# Altium PCB C210_220601.PcbDoc (part 6 of 7) (continued)
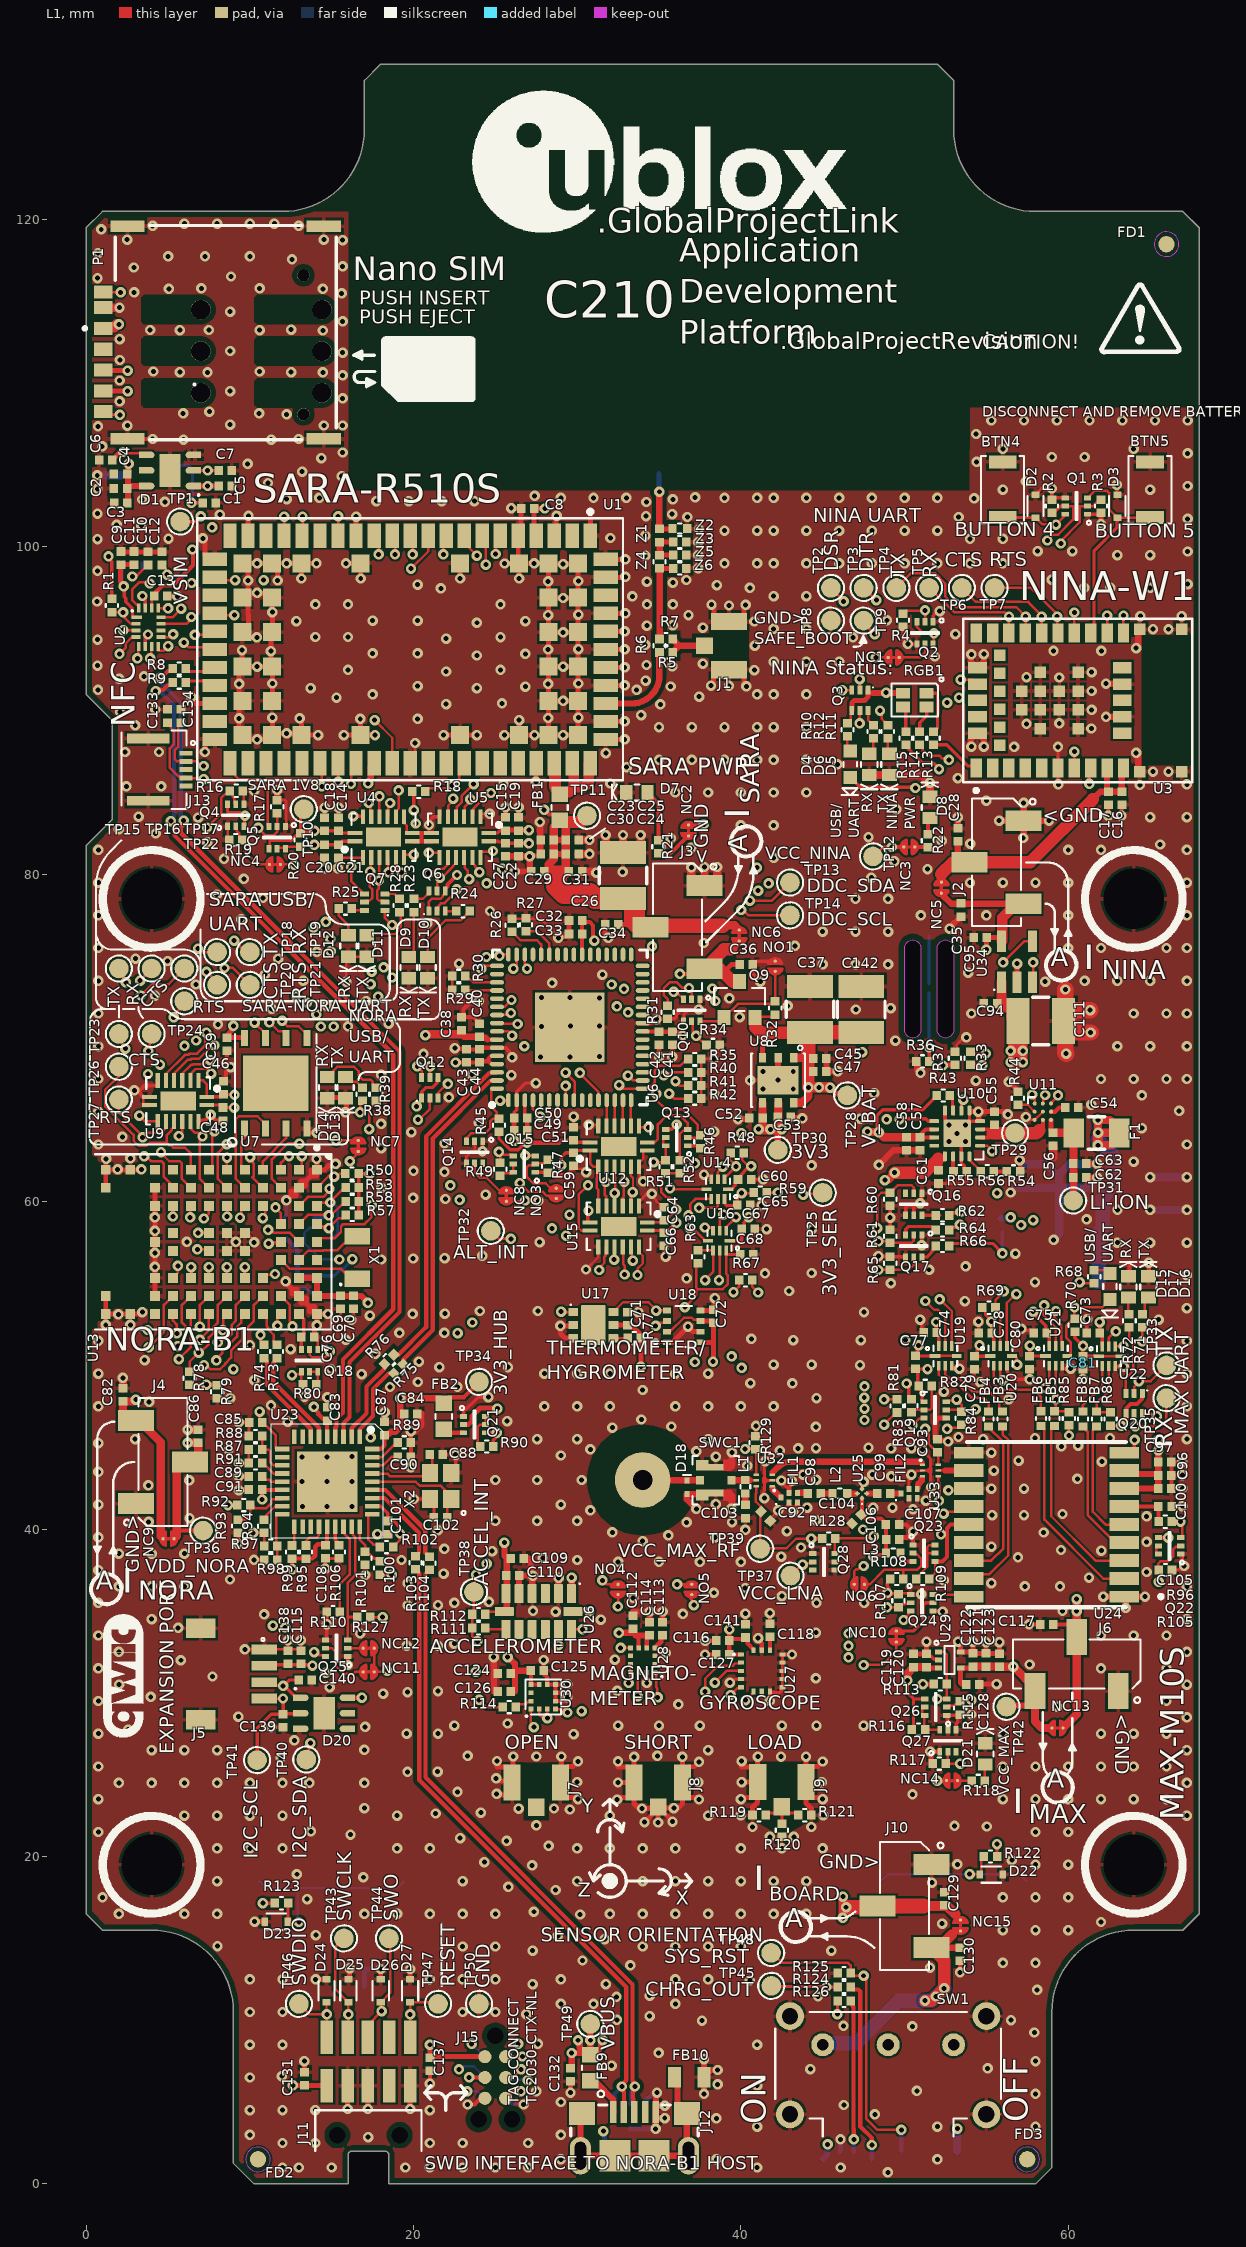
[diagram p0: L1 view]
## Nets (pads, with @x,y where several pads share a name; then routed paths per layer and width w, separated by ;. In a path a pad name is that pad's centre, name@x,y a point inside that pad or via, vN(x,y) a via of type N, cw(c..) or ccw(c..) an arc to the next point about the centre after c; other vN are vias at no path point) (continued)
  L1 w0.15: v1(38.414,30.625) 39.129,31.34 U27.3@40.01,31.34
  L1 w0.152: J5.3@10.875,30.65 11.099,30.426 12.037,30.426 v1(12.043,30.421) ; v1@12.049,30.427 12.066,30.427 v1@12.167,30.427 ; U13.A3@14.1,59.75 14.3,59.95 14.308,59.942 14.937,59.942 v1@14.937,59.952 ; v1(14.926,59.956) 14.926,60.021 15.78,60.875 R53.1@15.853,60.875 ; U30.4@28.675,29 29.2,29 v1(29.4,28.8) ; v1(29.018,53.288) 29.018,53.271 29.026,53.263 U17.1@29.755,53.263 ; U26.13@29.65,33.87 30.319,33.87 v1(30.325,33.875) ; v1(33.69,29.8) 33.69,31.19 U28.11@33.75,31.25 ; v1(34.797,52.419) 34.846,52.419 34.846,52.441 35.027,52.622 35.389,52.622 U18.3@35.481,52.713 ; U11.A2@58.45,66 58.468,66.018 58.468,66.275 58.587,66.394 v1(58.587,66.525)
  L1 w0.203: v1(12.043,30.421) v1@12.06,30.421 ; C140.2@12.991,30.787 12.426,30.787 12.066,30.427 v1@12.06,30.421 ; D20.1@13.391,29.7 D20.1@13.016,29.7 12.841,29.7 12.119,30.421 v1@12.06,30.421 ; TP40.1@13.45,25.925 13.617,26.092 13.617,26.842 v1(13.7,26.925)
  L3 w0.152: v1(12.043,30.421) 13.7,28.764 v1(13.7,26.925) ; v1(12.163,33.999) 12.163,34.087 11.789,34.46 11.789,46.814 12.625,47.65 12.625,48.251 13.511,49.136 13.511,54.086 14.6,55.175 14.6,56.871 15.694,57.965 15.694,59.188 v1(14.926,59.956) ; v1(28.46,58.379) 28.46,58.351 28.72,58.09 28.72,54.83 29.637,53.913 ; v1(29.018,53.288) 29.018,53.294 29.637,53.913 ; v1(29.4,28.8) 30.325,29.725 v1(30.325,33.875) ; v1(34.797,52.419) 34.28,52.935 34.28,53.489 33.856,53.913 29.637,53.913
  L4 w0.152: v1(12.163,33.999) 12.163,33.92 11.811,33.568 11.811,30.752 12.043,30.52 v1(12.043,30.421) 13.459,29.005 28.393,29.005 28.597,28.8 v1(29.4,28.8) 30.154,29.554 33.445,29.554 v1(33.69,29.8) 34.259,29.8 35.084,30.625 v1(38.414,30.625) ; v1(14.926,59.956) 15.979,58.903 27.578,58.903 28.102,58.379 v1(28.46,58.379) ; v1@28.474,58.365 28.581,58.471 29.553,58.471 29.637,58.388 35.186,58.388 36.119,57.455 46.149,57.455 48.574,59.88 49.701,59.88 51.851,57.73 57.949,57.73 58.705,58.486 58.705,61.776 58.259,62.222 58.259,66.08 58.587,66.408 v1(58.587,66.525)
  L6 w0.152: U31.6@13.975,57.775 15.046,57.775 15.38,58.109 15.38,59.62 15.044,59.956 v1(14.926,59.956)
SIM_CLK: U1.38 U2.8 | length 16.6
  L1 w0.152: U2.8@4.411,93.925 4.411,93.673 4.413,93.675 4.738,93.675 v1(5.008,93.943) ; U1.38@14.3,86.8 14.397,86.703 v1(14.397,85.377)
  L4 w0.152: v1(5.008,93.943) 5.551,93.4 8.511,93.4 10.829,91.082 10.829,89.258 13.552,86.535 13.552,86.223 v1(14.397,85.377)
SIM_IO: U1.39 U2.12 | length 18.8
  L1 w0.152: U2.12@4.586,95.7 5.275,95.7 5.8,96.225 5.8,96.228 v1(5.803,96.228) ; v1(15.397,85.65) 15.4,85.653 U1.39@15.4,86.8
  L4 w0.152: v1(5.803,96.228) 5.736,96.162 5.736,95.639 6.2,95.175 8.923,95.175 12.047,92.051 12.047,89.597 15.397,86.247 v1(15.397,85.65)
SIM_RST: U1.40 U2.4 | length 22.2
  L1 w0.152: v1(2.042,93.475) 2.431,93.864 2.431,94.12 2.811,94.5 U2.4@3.036,94.5 ; v1(16.184,85.523) 16.184,86.484 U1.40@16.5,86.8
  L4 w0.152: v1(2.042,93.475) 2.042,93.383 2.775,92.65 7.2,92.65 9.908,89.942 9.908,87.942 12.15,85.7 13.019,84.831 15.525,84.831 v1@16.2,85.506
SWCLK: D25.1 J11.4 J15.4 J17.4 TP43.1 U13.J2 | length 83.4
  L1 w0.15: J11.4@16.025,8.96 v1(16.025,10.357)
  L1 w0.152: v1(3.546,62.775) 3.677,62.775 3.973,62.479 4.595,62.479 4.729,62.345 4.729,61.531 5.3,60.96 U13.J2@5.3,60.85 ; TP43.1@15.75,15 15.225,14.475 15.225,11.891 D25.1@16.025,11.091 v1(16.025,10.357) ; J15.4@25.635,6.5 26.081,6.5 v1(26.581,7)
  L3 w0.152: v1(3.546,62.775) 3.588,62.733 4.092,62.733 4.75,62.075 4.75,55.799 4.698,55.747 4.698,51.61 4.75,51.558 4.75,50.094 7.495,47.349 7.495,36.492 14.94,29.046 14.94,11.442 v1(16.025,10.357)
  L4 w0.15: 25.744,7.65 26.394,7 v1(26.581,7)
  L4 w0.152: v1(16.025,10.357) 16.368,10.357 19.075,7.65 22.82,7.65 ; v1(22.783,7) 22.783,7.613 22.82,7.65 ; 25.744,7.65 22.82,7.65
  L6 w0.152: v1(22.783,7) 22.783,7.083 22.885,7.185 23.68,7.185 J17.4@24.365,6.5
SWDIO: D24.1 J11.2 J15.2 J17.2 TP46.1 U13.H2 | length 81.4
  L1 w0.15: v1(4.573,63.025) 4.573,62.983 5.078,62.477 5.694,62.477 5.697,62.475 5.725,62.475 5.85,62.35 5.85,61.4 U13.H2@6.4,60.85 ; TP46.1@13,11 13.643,10.357 v1(14.71,10.357) ; D24.1@14.686,11.091 14.686,10.381 v1(14.71,10.357) ; J11.2@14.71,8.96 v1(14.71,10.357) ; J15.2@25.635,7.77 25.641,7.776 26.65,7.776 v1(26.656,7.781)
  L3 w0.15: v1(3.75,52.167) 3.75,52.128 4.446,51.432 4.446,49.968 7.192,47.223 7.192,36.402 14.637,28.957 14.637,10.43 v1(14.71,10.357)
  L4 w0.15: v1(3.75,52.167) 3.75,52.21 4.75,53.21 4.75,62.625 4.55,62.825 4.55,63.002 v1(4.573,63.025) ; v1(14.71,10.357) 15.253,10.9 16.275,10.9 19.224,7.951 23.554,7.951 ; v1(23.554,8.55) 23.554,7.951 ; v1(26.656,7.781) 26.563,7.874 26.286,7.874 26.209,7.951 23.554,7.951
  L6 w0.15: v1(23.554,8.55) 23.585,8.55 J17.2@24.365,7.77
SWO: D26.1 J11.6 J15.6 J17.6 TP44.1 U13.B3 | length 78.5
  L1 w0.152: U13.B3@13,59.75 13.55,60.3 14.494,60.3 14.85,60.656 14.85,60.8 v1(14.87,60.8) ; J11.6@17.21,8.96 17.21,9.715 v1(18.05,10.555) 18,10.605 D26.1@18,11.091 18.589,11.68 18.589,14.911 TP44.1@18.5,15
  L1 w0.254: J15.6@25.63,5.25 26.035,5.655 v1(26.563,5.655) ; J15.6@25.635,5.23 J15.6@25.903,5.23
  L3 w0.152: v1(14.87,60.8) 15.064,60.8 15.999,59.865 15.999,57.774 14.926,56.701 14.926,56.172 15.472,55.626 15.472,52.433 14.31,51.271 14.31,49.464 15.315,48.459 15.315,30.864 15.55,30.629 15.55,12.125 17.25,10.425 17.92,10.425 v1(18.05,10.555) 19.13,10.555 19.525,10.95 20.075,10.95 20.39,10.635 20.39,10.59 24.614,6.366 24.614,6.189 ; v1(23.279,5.655) 23.304,5.63 24.055,5.63 24.614,6.189 ; v1(26.563,5.655) 25.148,5.655 24.614,6.189
  L6 w0.152: v1(23.279,5.655) 23.94,5.655 J17.6@24.365,5.23
SYS_RST: BTN3.1 NC1.2 NC4.2 NC8.2 NC10.2 NC11.2 NC12.2 R125.2 TP48.1 | length 179.9
  L1 w0.152: NC4.2@11.874,80.607 12.683,80.607 v1(12.707,80.583) ; NC12.2@17.601,32.726 NC11.2@17.601,31.278 18.328,31.278 v1(18.4,31.35) ; NC8.2@25.675,60.034 26.792,60.034 26.792,60.046 v1(26.822,60.076) ; TP48.1@41.85,13.9 42.133,13.9 42.533,13.5 46.556,13.5 46.704,13.352 R125.2@46.704,12.875 46.863,12.715 v1(47.502,12.715) 47.527,12.715 47.655,12.587 47.655,3.995 48.35,3.3 v1(49.8,3.3) ; v1(47.502,31.7) 48.65,31.7 49.5,32.55 NC10.2@49.5,33.103 ; v1(48.25,93.25) NC1.2@49,93.25
  L3 w0.152: v1(23.792,31.296) 23.772,31.296 23.245,31.822 23.245,52.196 22.9,52.541 22.9,53.571 21.238,55.233 21.238,58.532 v1(22.825,60.119) 22.825,64.973 21.707,66.091 21.238,66.56 21.238,67.139 21.969,67.87 21.969,69.665 23.35,71.045 23.35,78.272 24.475,79.397 v1(24.475,79.454) ; v1(47.502,12.715) 48.377,13.591 48.377,29.098 47.502,29.973 v1(47.502,31.7)
  L4 w0.152: v1(12.707,80.583) 13.44,79.85 16.323,79.85 16.808,80.336 16.808,80.39 17.314,80.896 18.103,80.896 18.348,80.651 24.386,80.651 24.548,80.489 24.548,79.915 24.515,79.881 24.515,79.494 v1(24.475,79.454) 24.567,79.362 24.783,79.362 24.806,79.339 39.47,79.339 39.998,79.868 41.268,79.868 41.4,80 42.644,80 43.957,81.312 43.957,83.282 47.775,87.1 47.775,92.775 v1(48.25,93.25) ; v1(18.4,31.35) 18.427,31.323 23.765,31.323 v1(23.792,31.296) ; v1(22.825,60.119) 23.094,59.85 26.606,59.85 26.822,60.067 v1(26.822,60.076) ; v1@23.792,31.275 23.967,31.45 47.252,31.45 v1(47.502,31.7)
  L6 w0.254: BTN3.1@49.8,2 v1(49.8,3.3)
TX0: Q12.2 TP23.1 U9.13 U13.G3 | length 35
  L1 w0.152: TP23.1@2,70.25 2,69.85 2.4,69.45 v1(2.4,69.35) ; v1(5.661,64.016) 5.722,64.016 5.844,64.138 5.844,64.154 5.818,64.18 5.875,64.237 U9.13@5.875,64.908 ; v1(7.195,58.98) 7.205,58.98 7.5,59.275 U13.G3@7.5,59.75 ; v1(20.272,65.016) 20.35,65.016 21,65.667 Q12.2@21,66.341
  L3 w0.152: v1(2.4,69.35) 2.4,68.316 3.495,67.22 3.495,66.523 4.136,65.881 5.661,64.357 5.661,64.18 v1(5.661,64.016) ; v1@5.705,64.18 5.75,64.225 5.957,64.018 5.957,63.517 6.634,62.84 6.734,62.84 6.734,59.441 v1(7.195,58.98)
  L4 w0.152: v1(5.661,64.016) 6.283,64.016 6.899,63.4 7.704,63.4 9.104,64.8 9.525,64.8 11.145,66.42 13.499,66.42 16.07,63.85 18.594,63.85 19.778,65.034 20.255,65.034 v1(20.272,65.016)
TX1/SARA_PRI_RX: Q7.2 TP19.1 U4.4 U6.49 | length 29.1
  L1 w0.152: v1(9.043,75.949) 9.742,75.25 TP19.1@10,75.25 ; v1@17.88,79.612 17.901,79.633 17.901,81.004 U4.4@17.922,81.025 ; v1(17.88,79.623) 17.88,79.134 17.772,79.025 17.772,78.509 17.906,78.374 18.176,78.374 Q7.2@18.25,78.3 ; v1@24.097,74.235 24.27,74.408 U6.49@25.1,74.408
  L3 w0.152: v1(17.45,74.052) 17.502,74.104 17.502,79.229 17.88,79.608 v1(17.88,79.623)
  L4 w0.152: v1(9.043,75.949) 9.429,75.949 12.771,79.291 16.554,79.291 16.644,79.381 16.931,79.381 17.173,79.623 v1(17.88,79.623) ; v1(17.45,74.052) 18.323,73.179 21.542,73.179 22.316,73.953 23.751,73.953 24.029,74.231 v1(24.148,74.231)
TX4: Q6.2 TP15.1 U5.11 U13.G4 | length 49.1
  L1 w0.152: TP15.1@2,74.25 v1(2.429,73.401) ; v1(6.85,58.1) U13.G4@7.5,58.1 ; v1(20.895,80.039) 21.025,80.039 21.168,80.181 21.23,80.181 21.386,80.337 21.829,80.337 22.048,80.556 22.048,80.923 U5.11@22.1,80.975 ; Q6.2@21.442,77.749 21.515,77.823 21.515,78.065 21.675,78.225 21.714,78.225 21.73,78.241 21.904,78.241 22.646,78.983 v1(22.646,79.09)
  L3 w0.152: v1(2.429,73.401) 2.431,73.399 2.325,73.293 2.325,70.275 2.949,69.651 2.949,68.637 v1(3.78,67.806) 3.8,67.806 3.8,66.649 6.262,64.187 6.262,63.643 6.76,63.145 6.86,63.145 7.038,62.966 7.038,60.046 7.76,59.324 7.76,58.773 7.087,58.1 v1(6.85,58.1)
  L4 w0.152: v1(3.78,67.806) 3.78,68.416 5.121,69.757 5.121,70.175 9.106,74.159 9.106,74.289 13.272,78.455 16.9,78.455 16.991,78.546 18.569,78.546 18.783,78.76 19.693,78.76 20.895,79.962 v1(20.895,80.039) ; v1@20.942,80.023 21.072,80.023 21.385,80.336 21.882,80.336 22.138,80.081 22.138,79.512 22.56,79.09 v1(22.646,79.09)
TX5: U13.G9 U21.6 | length 60.4
  L1 w0.152: v1(6.946,51.57) 6.934,51.582 7.5,52.148 U13.G9@7.5,53.15 ; v1(59.239,53.324) 59.148,53.233 59.148,52.904 59.567,52.485 59.567,51.577 59.604,51.54 59.604,51.213 U21.6@59.638,51.179
  L4 w0.152: v1(6.946,51.57) 6.946,51.596 7.5,52.15 7.5,52.494 8.337,53.331 12.955,53.331 14.299,54.675 35.369,54.675 35.371,54.673 35.454,54.673 35.725,54.402 37.253,54.402 37.267,54.389 37.27,54.389 38.334,53.325 46.356,53.325 47.132,54.101 50.233,54.101 51.015,54.883 54.923,54.883 56.001,53.805 57.171,53.805 57.586,54.22 58.766,54.22 59.147,53.84 59.147,53.417 v1(59.239,53.324)
TX6: U13.J9 U15.14 | length 32.9
  L1 w0.152: U13.J9@5.3,53.15 5.3,52.735 5.527,52.508 5.527,51.984 v1(5.549,51.962) ; U15.14@33.286,57.242 33.335,57.193 33.335,56.465 v1(33.396,56.404)
  L4 w0.152: v1(5.549,51.962) 5.549,52.674 7.425,54.55 12.45,54.55 13.787,55.887 29.354,55.887 30.177,56.71 31.23,56.71 32.028,55.912 32.48,55.912 32.88,56.312 33.304,56.312 v1(33.396,56.404)
USB_DN1_n: R75.2 U23.1 | length 5.2
  L1 w0.152: R75.2@18.537,49.501 R75.2@18.811,49.501
  L1 w0.259: U23.1@16.725,45.647 16.725,46.123 17.516,46.914 17.516,46.917 17.523,46.924 17.523,48.55 18.473,49.501 R75.2@18.811,49.501
USB_DN1_p: R76.2 U23.2 | length 5.3
  L1 w0.152: R76.2@18.228,49.8 R76.2@18.228,50.084
  L1 w0.259: U23.2@16.225,45.647 16.225,46.169 17.13,47.074 17.13,48.703 17.137,48.709 R76.2@18.227,49.8
USB_DN2_n: R8.2 U23.3 | length 55
  L1 w0.259: v1(4.486,92.015) 4.588,92.015 5.002,92.43 5.155,92.43 5.285,92.56 R8.2@5.285,92.575 ; v1(5.957,83.281) 5.885,83.209 5.885,82.965 5.786,82.866 5.786,82.539 19.15,69.174 19.15,53.259 16.093,50.202 16.093,46.836 15.725,46.468 15.725,46.307 U23.3@15.725,45.647
  L6 w0.259: v1(4.486,92.015) 4.558,91.943 4.558,91.728 5.785,90.501 5.785,83.554 5.957,83.383 v1(5.957,83.281)
USB_DN2_p: R9.2 U23.4 | length 54.9
  L1 w0.178: 15.252,46.217 15.225,46.244 15.255,46.274 15.255,46.447 15.293,46.485
  L1 w0.259: v1(4.248,91.2) 4.32,91.272 4.714,91.272 5.012,91.57 5.155,91.57 5.285,91.7 R9.2@5.285,91.715 ; v1(5.171,83.25) 5.171,83.148 5.4,82.92 5.4,82.379 18.764,69.014 18.764,53.431 15.691,50.357 15.691,47.116 15.293,46.718 15.293,46.485 15.293,46.259 15.252,46.217 15.225,46.19 U23.4@15.225,45.647
  L6 w0.259: v1(4.248,91.2) 4.32,91.128 4.579,91.128 5.375,90.332 5.375,83.674 5.399,83.65 5.363,83.614 5.363,83.543 5.171,83.352 v1(5.171,83.25)
USB_DN3_n: R73.2 U23.6 | length 6.1
  L1 w0.152: R73.2@11.482,50.203 R73.2@11.725,50.446
  L1 w0.259: R73.2@11.482,50.203 11.435,50.156 11.435,48.985 14.225,46.195 U23.6@14.225,45.647
USB_DN3_p: R74.2 U23.7 | length 6
  L1 w0.259: R74.2@10.866,50.45 11.049,50.267 11.049,48.812 13.725,46.136 U23.7@13.725,45.647
USB_DNR1_n: R75.1 U6.63 | length 19.9
  L1 w0.259: R75.1@19.377,50.066 19.377,50.369 21.175,52.167 21.175,63.864 24.715,67.404 25.096,67.404 U6.63@25.1,67.408
USB_DNR1_p: R76.1 U6.62 | length 20.3
  L1 w0.152: 24.672,67.855 U6.62@24.7,67.883
  L1 w0.259: R76.1@18.793,50.65 19.084,50.65 20.775,52.34 20.775,64.008 20.789,64.023 ; 20.789,64.024 24.555,67.79 ; 24.556,67.79 24.622,67.855 24.672,67.855 ; U6.62@24.7,67.883 U6.62@25.076,67.883
USB_DNR2_n: R8.1 U1.28 | length 1.9
  L1 w0.178: R8.1@6.085,92.575 6.085,92.571 6.256,92.4 7.6,92.4 U1.28@7.85,92.65
USB_DNR2_p: R9.1 U1.29 | length 1.9
  L1 w0.178: R9.1@6.085,91.715 6.195,91.825 7.575,91.825 U1.29@7.85,91.55
USB_DNR3_n: R73.1 U13.D9 | length 2.3
  L1 w0.152: U13.D9@10.8,53.15 11.024,52.926 11.024,52.398 11.138,52.283 11.138,52.199 11.46,51.877 11.46,51.434 11.644,51.25 R73.1@11.65,51.25
USB_DNR3_p: R74.1 U13.C9 | length 2.8
  L1 w0.152: v1(10.654,51.874) 10.654,51.677 10.68,51.651 10.68,51.436 R74.1@10.866,51.25 ; v1(11.684,52.425) 11.684,52.934 U13.C9@11.9,53.15
  L3 w0.152: v1(10.654,51.874) 10.692,51.874 11.168,52.35 11.6,52.35 11.675,52.425 v1(11.684,52.425)
USB_UP_1_n: D28.1 J12.2 R103.2 | length 40.2
  L1 w0.259: R103.2@20.125,37.525 20.349,37.301 20.349,24.679 32.999,12.029 32.999,6.935 32.999,6.326 32.725,6.052 v1(32.725,5.95) 32.797,5.878 32.797,5.672 32.859,5.61 32.859,4.404 J12.2@32.85,4.395
  L6 w0.259: D28.1@32.275,4.525 32.275,5.5 v1(32.725,5.95)
USB_UP_1_p: D28.2 J12.3 R104.2 | length 39.8
  L1 w0.259: R104.2@20.975,37.525 20.735,37.285 20.735,24.839 33.385,12.189 33.385,6.769 33.385,6.29 33.453,6.222 33.453,6.022 v1(33.525,5.95) 33.453,5.878 33.453,5.672 33.391,5.61 33.391,5.244 33.43,5.206 33.43,4.466 J12.3@33.5,4.395
  L6 w0.259: D28.2@33.225,4.9 33.295,4.97 33.295,5.619 33.525,5.848 v1(33.525,5.95)
USB_UPR_1_n: R103.1 U23.30 | length 5.3
  L1 w0.259: U23.30@17.475,41.897 18.219,41.897 20.335,39.781 20.335,38.56 R103.1@20.125,38.35
USB_UPR_1_p: R104.1 U23.31 | length 6
  L1 w0.259: U23.31@17.475,42.397 18.285,42.397 20.721,39.961 20.721,38.579 R104.1@20.975,38.325
V_BAT: C37.1 C45.2 C47.1 C129.1 C142.1 J10.2 NC15.1 Q9.2 R32.2 R126.2 TP28.1 U8.1 U8.3 U8.6 | length 86.7
  L1 w0.152: Q9.2@40.875,71.25 40.917,71.292 R32.2@42.1,71.292
  L1 w0.203: v1(45.895,10.375) 45.9,10.379 45.9,11.171 R126.2@45.904,11.175
  L1 w0.254: v1(45.45,66.966) 45.791,66.625 46.375,66.625 TP28.1@46.5,66.5 ; 53.086,16.489 53.418,16.157 NC15.1@53.418,16.126
  L1 w0.305: 41.213,70.337 41.325,70.225 U8.3@41.325,68.8
  L1 w0.508: U8.6@43.275,66.05 43.725,66.05 44.119,66.444 v1(44.119,66.987) ; U8.1@43.275,68.8 44.125,68.8 44.389,68.8 C45.2@44.425,68.764 ; v1(46.225,16.25) v1@46.225,17.104 ; v1(46.225,17.55) v1@46.225,17.104 ; v1(46.429,16.9) v1@46.225,17.104
  L1 w0.635: v1(44.119,66.987) v1(44.775,66.987) 45.429,66.987 v1(45.45,66.966) ; C37.1@44.225,70.35 44.226,70.349 C37.1@44.363,70.212 ; 51.175,16.975 52.6,16.975 53.086,16.489
  L1 w0.762: Q9.2@40.875,71.25 40.875,70.675 41.213,70.337 C37.1@44.212,70.337 ; v1@44.125,66.993 44.125,68.8
  L1 w0.889: 44.125,68.8 44.125,70.25 44.212,70.337 C37.1@44.225,70.35 ; C37.1@44.226,70.349 47.354,70.349 C142.1@47.355,70.348 ; v1(46.429,16.9) 48.275,16.9 J10.2@48.35,16.975 51.175,16.975
  L3 w0.889: v1(44.119,66.987) v1(44.775,66.987) 45.278,66.987 45.278,48.634 45.534,48.379 45.534,27.094 46.333,26.294 46.333,16.558
  L4 w0.254: v1(45.895,10.375) 46.225,10.705 v1(46.225,16.25)
VBUS: C43.1 C44.1 C61.1 C132.2 D28.6 FB9.2 Q15.4 Q18.4 Q21.2 R49.1 R80.1 R100.1 TP49.1 U6.60 U6.61 U10.6 U10.13 | length 199.4
  L1 w0.152: v1(12.575,49.404) 12.642,49.471 13,49.471 Q18.4@13.15,49.621 ; Q18.4@13.15,49.696 Q18.4@13.15,49.621 ; R80.1@13.25,48.85 13.15,48.95 Q18.4@13.15,49.621 ; R100.1@17.95,37.225 v1(18.667,37.225) ; R49.1@25.296,62.386 25.296,62.968 v1(25.211,63.053) 25.235,63.076 25.437,62.874 26.026,62.874 Q15.4@26.097,62.804 ; U10.6@53.468,65.573 53.468,66.193 53.512,66.237 v1(53.591,66.237)
  L1 w0.203: 52.168,62.725 52.42,62.725 U10.13@52.468,62.773
  L1 w0.254: v1(22.578,68.508) C43.1@23.225,68.508 23.229,68.512 C44.1@24.025,68.512 24.096,68.583 24.575,68.583 ; U6.61@25.1,68.408 24.75,68.408 24.575,68.583 ; U6.60@25.1,68.908 24.725,68.908 24.575,68.758 24.575,68.583 ; FB9.2@30.491,8.195 30.601,8.195 FB9.2@30.801,7.995
  L1 w0.305: Q21.2@23.053,46.388 23.06,46.381 23.351,46.381 23.582,46.612 23.582,46.919 24.064,47.401 25.085,47.401 v1(25.124,47.362)
  L1 w0.381: C132.2@29.587,7.067 29.667,7.148 v1(29.667,7.995) FB9.2@30.48,7.995 ; v1(30.05,8.775) 30.15,8.675 30.15,8.325 FB9.2@30.48,7.995 ; FB9.2@30.491,8.12 FB9.2@30.616,7.995 ; TP49.1@30.801,9.775 v1(30.801,8.775) 30.801,7.995 FB9.2@30.616,7.995 ; FB9.2@31.123,7.995 31.452,8.325 v1@31.452,8.675 ; FB9.2@30.48,7.995 FB9.2@30.616,7.995
  L1 w0.508: v1(48.8,61.325) 48.975,61.325 49.4,61.75 v1(49.4,61.775) ; C61.1@52.065,61.915 52.065,62.622 52.168,62.725
  L1 w0.762: v1(49.4,61.775) 51.218,61.775 52.065,62.622
  L3 w0.152: v1(24.475,37.875) 26.498,37.875 26.523,37.9 ; v1@25.15,63.005 25.204,63.06 v1(25.211,63.053) ; v1(48.903,65.03) 48.903,65.022 49.4,64.525 v1(49.4,61.775)
  L3 w0.305: v1(31.552,8.775) 31.503,8.726 31.503,6.017 31.6,5.92 v1(31.6,3.225)
  L3 w0.381: v1(25.124,47.362) 26.523,47.362 ; v1(29.667,7.995) 29.667,8.392 v1(30.05,8.775)
  L3 w0.508: v1(22.578,68.508) 22.845,68.242 22.845,67.025 25.15,64.72 25.15,63.114 v1@25.204,63.06 ; v1@25.15,63.005 25.15,56.411 26.523,55.038 26.523,47.362 26.523,37.9 26.523,30.848 24.303,28.628 24.303,23.522 26.523,21.302 26.523,11.902 29.65,8.775 v1@30.003,8.775
  L3 w0.635: v1(30.05,8.775) v1(30.801,8.775) ; v1(47.55,46.668) 47.65,46.768 v1@47.65,46.779
  L3 w0.762: v1(30.801,8.775) v1(31.552,8.775)
  L3 w0.889: v1(31.552,8.775) 31.752,8.975 38.582,8.975 44.945,15.338 46.673,15.338 47.375,16.039 47.375,26.725 46.575,27.525 v1(46.575,32.164) v1(46.575,32.87) v1@46.575,33.509 ; v1@47.65,46.779 47.65,48.725 48.435,49.51 48.435,53.79 47.406,54.819 47.406,59.931 v1(48.8,61.325) 49.25,61.775 v1(49.4,61.775)
  L4 w0.152: v1(12.575,49.404) 12.913,49.404 13.697,48.62 17.176,48.62 17.722,49.166 18.273,49.166 18.339,49.232 18.958,49.232 20.79,47.401 25.085,47.401 v1(25.124,47.362) ; v1(18.667,37.225) 18.817,37.375 19.7,37.375 20.2,37.875 v1(24.475,37.875) ; v1(48.903,65.03) 48.903,64.997 49.617,64.283 51.458,64.283 53.412,66.237 v1(53.591,66.237)
  L4 w0.889: v1@46.575,32.25 v1(46.575,32.87) v1(46.575,33.624) 46.575,45.693 v1(47.55,46.668) v1(47.55,47.36) 47.55,48.017 v1(47.537,48.029) 47.537,48.713 v1(47.55,48.725)
  L6 w0.305: v1(31.6,3.225) 31.663,3.162 31.663,2.687 32.107,2.243 32.257,2.243 D28.6@32.275,2.225
VCC_MAX: C77.1 C79.1 C80.1 C81.1 C121.1 C122.2 C123.1 C128.1 J6.3 NC13.2 Q20.1 Q20.4 R68.1 R70.1 R84.1 R85.1 R86.1 TP42.1 U19.1 U19.5 U20.1 U21.1 U22.1 U22.5 U29.4 | length 75.7
  L1 w0.152: U19.1@51.863,50.579 U19.5@53.188,50.579 ; v1(52.599,46.124) 52.671,46.195 53.304,46.195 R84.1@53.488,46.379 ; R85.1@60.038,46.354 60.038,45.729 v1(60.044,45.723) ; v1(60.7,55.085) 60.76,55.025 R68.1@61.588,55.025 ; U22.1@61.858,50.561 U22.5@63.183,50.561 ; R86.1@62.588,46.329 63.213,46.329 v1(63.238,46.304)
  L1 w0.203: C77.1@50.682,50.579 U19.1@51.863,50.579 ; C77.1@50.682,50.586 50.775,50.678 50.775,51.146 v1(50.857,51.229) ; C79.1@54.261,50.561 54.267,50.561 C79.1@54.282,50.576 ; C79.1@54.279,50.579 C79.1@54.282,50.576 ; v1(54.576,51.229) 54.576,51.112 54.425,50.961 54.425,50.719 C79.1@54.282,50.576 ; U20.1@55.231,50.579 55.222,50.571 54.287,50.571 C79.1@54.282,50.576 ; v1(57.656,51.209) 57.643,51.197 57.643,50.579 U21.1@58.613,50.579 ; R70.1@60.4,52.05 60.4,51.692 v1(60.901,51.191) 60.888,51.178 C81.1@60.888,50.561 U22.1@61.858,50.561
  L1 w0.254: v1(63.238,46.304) 63.55,46.616 63.55,47.025 Q20.4@63.525,47.05 63.55,47.075 63.55,47.394 63.806,47.65 64.2,47.65 64.5,47.95 64.5,48.275 Q20.1@64.525,48.3
  L1 w0.305: C128.1@53.525,30.5 53.425,30.6 U29.4@53.425,31.506 54.075,31.506 C122.2@54.175,31.606
  L1 w0.381: TP42.1@56.225,29.15 56.3,29.225 57.475,29.225 J6.3@57.973,29.723
  L1 w0.508: C122.2@54.175,31.606 55.794,31.606 C123.1@55.8,31.6 v1(56.65,31.6) 57.973,30.277 J6.3@57.973,30.104 57.973,29.723 57.973,28.252 58.375,27.85 NC13.2@59,27.85
  L3 w0.152: v1(50.857,51.229) 51.95,50.136 51.95,49.275 51.717,49.042 51.717,46.925 52.519,46.124 v1(52.599,46.124) ; v1(60.7,55.085) 60.61,55.085 59.785,54.26 59.785,52.306 v1(60.901,51.191)
  L3 w0.381: v1(56.65,31.6) 56.65,36.943 63.238,43.532 v1(63.238,46.304) 63.238,48.041 60.901,50.379 v1(60.901,51.191)
  L4 w0.152: 52.504,51.209 52.538,51.175 ; v1(60.044,45.723) 60.626,46.304 v1(63.238,46.304)
  L4 w0.203: v1(50.857,51.229) 50.877,51.209 52.504,51.209 54.556,51.209 v1(54.576,51.229)
  L4 w0.254: v1(54.576,51.229) 54.595,51.209 v1(57.656,51.209)
  L4 w0.305: v1(57.656,51.209) 60.882,51.209 v1(60.901,51.191)
VCC_MAX_LNA: C104.1 C106.2 C107.2 L3.2 Q28.2 R129.2 TP37.1 U25.1 U32.4 | length 22.4
  L1 w0.152: v1(40.261,44.897) 40.878,44.897 R129.2@40.9,44.875 40.95,44.825 U32.4@40.95,43.333 ; TP37.1@43.025,37.154 43.058,37.154 43.737,37.833 v1(43.77,37.833) 43.901,37.833 43.994,37.926 44.326,37.926 Q28.2@44.4,38
  L1 w0.254: U25.1@47.4,41.874 47.4,40.944 C104.1@47.358,40.902 47.372,40.902 47.625,40.65 48.551,40.65 48.857,40.344 48.857,39.352 L3.2@48.857,38.529 48.743,38.415 48.159,38.415 v1(48.086,38.342)
  L3 w0.152: v1(40.261,44.897) 40.9,44.258 40.9,40.9 43.678,38.122 43.678,37.925 v1(43.77,37.833)
  L5 w0.254: v1(43.77,37.833) 43.835,37.833 44.345,38.342 v1(48.086,38.342)
VCC_MAX_RF: C92.1 C93.1 Q23.4 R109.2 R128.2 TP39.1 U24.14 U32.6 U33.6 | length 32.3
  L1 w0.152: U32.6@40.95,42.633 40.95,42.191 40.907,42.147 40.907,41.683 41.181,41.408 41.181,41.395 41.238,41.339 41.238,40.819 41.181,40.762 TP39.1@41.181,38.8 41.224,38.843 42.805,38.843 43.383,39.421 v1(44.299,39.421) ; v1(51.253,46.124) 51.253,46.009 51.469,45.793 51.469,45.214 51.716,44.967 51.723,44.967 51.991,44.7 C93.1@52.006,44.7 52.064,44.641 U33.6@52.064,43.933 ; R109.2@51.513,36.954 51.863,37.304 Q23.4@51.863,38.029
  L1 w0.254: v1(44.299,39.421) 44.302,39.423 44.973,39.423 R128.2@44.975,39.425 ; Q23.4@51.863,38.029 52.308,38.029 52.588,38.31 52.588,39.677 ; v1(52.225,39.677) 52.588,39.677 ; U24.14@53.913,40.279 52.813,40.279 52.588,40.054 52.588,39.677
  L3 w0.152: v1(51.253,46.124) 51.253,46.032 53.225,44.06 53.225,40.677 v1(52.225,39.677)
  L5 w0.254: v1(44.299,39.421) 44.806,38.914 51.462,38.914 v1(52.225,39.677)
VCC_NINA: C35.1 C59.1 C60.1 C64.1 C67.1 C95.1 J2.3 NC3.1 NC5.2 Q3.1 Q3.4 R10.2 R33.1 R48.1 R51.1 R52.1 RGB1.4 TP12.1 U12.1 U12.2 U12.10 U14.1 U15.1 U15.7 U15.15 U16.1 U34.5 | length 115.1
  L1 w0.152: C59.1@29.789,63.004 C59.1@29.916,63.131 ; U12.1@30.786,63.131 30.786,62.347 31.002,62.131 U12.2@31.286,62.131 31.237,62.082 31.237,61.461 31.208,61.432 31.208,60.813 31.286,60.734 U15.7@31.286,59.742 ; v1(33.686,55.526) 33.69,55.53 33.69,55.926 34.004,56.239 34.004,56.699 33.786,56.917 U15.15@33.786,57.242 ; U12.10@33.786,64.631 33.786,64.595 33.835,64.546 v1(34.367,64.546) ; U15.1@34.286,58.742 35.173,58.742 C64.1@35.301,58.869 35.484,59.053 35.624,59.053 36.025,59.453 v1@36.025,59.53 ; R51.1@35.401,61.74 35.386,61.74 35.202,61.556 35.202,61.128 35.123,61.049 35.123,60.597 35.466,60.254 35.646,60.254 36.025,59.875 v1@36.025,59.53 ; R51.1@35.403,61.74 R52.1@36.268,61.74 ; v1(36.045,59.53) v1@36.025,59.53 ; R48.1@40.17,62.99 40.082,62.902 40.082,62.554 40.467,62.169 v1(40.625,62.169) ; R10.2@46.51,89.225 46.725,89.44 46.725,89.778 46.775,89.828 Q3.4@46.775,90 ; TP12.1@48.075,81.1 48.125,81.1 48.7,81.675 v1(49.229,81.675)
  L1 w0.203: v1(29.025,62.225) 29.025,62.725 29.289,62.989 29.774,62.989 C59.1@29.789,63.004 ; C59.1@29.916,63.131 U12.1@30.786,63.131 ; U14.1@39.225,60.775 39.44,60.775 39.667,61.002 39.667,61.192 C60.1@39.825,61.35 39.95,61.475 39.95,61.603 40.409,62.063 40.573,62.063 40.596,62.04 40.625,62.07 v1(40.625,62.169) ; U16.1@39.325,57.625 40.055,57.625 C67.1@40.055,58.322 40.192,58.459 40.192,58.759 v1(40.492,59.059)
  L1 w0.254: v1(49.229,81.675) NC3.1@49.949,81.675
  L1 w0.305: Q3.4@46.775,90 46.775,90.475 46.924,90.624 47.549,90.624 47.775,90.85 Q3.1@47.775,91.075 ; Q3.1@47.775,91.25 Q3.1@47.775,91.075 ; 48.05,91.075 Q3.1@47.775,91.075 ; R33.1@54.025,68.364 54.043,68.346 54.732,68.346 v1(54.75,68.329) ; v1(55,75.4) 55,76.111 C95.1@55.018,76.13 55.802,76.13 55.925,76.007 U34.5@55.925,75.908
  L1 w0.381: 48.05,91.075 RGB1.4@49.9,91.075 ; NC5.2@52.25,78.849 52.227,78.827 52.853,78.201 56.81,78.201 J2.3@57.275,78.201 57.931,78.201 J2.3@58.025,78.107
  L1 w0.635: U34.5@55.925,75.908 55.967,75.951 55.967,77.358 J2.3@56.81,78.201
  L3 w0.152: v1(33.686,55.526) 33.69,55.53 33.69,55.926 34.004,56.239 34.004,56.625 34,56.628 34,57.505 v1@36.025,59.53
  L3 w0.203: v1(34.367,64.546) 34.396,64.546 36.009,62.933 36.009,61.291 36.3,61 36.3,60.575 36.009,60.284 36.009,59.546 36.025,59.53 v1(36.045,59.53) ; v1(40.028,64.194) 40.028,62.717 40.576,62.169 v1(40.625,62.169) 40.65,62.144 40.65,61.986 39.48,60.816 39.48,60.182 v1@40.492,59.171
  L3 w0.254: v1(49.229,81.675) 50.217,81.675
  L3 w0.381: v1(48.875,91.1) 48.875,91.075 49.2,90.75 49.2,85.796 50.217,84.78 50.217,81.675 50.217,80.187 55,75.404 v1(55,75.4)
  L4 w0.203: v1(29.025,62.225) 29.025,61.308 30.302,60.031 31.114,60.031 31.532,59.612 35.943,59.612 36.025,59.53 v1(36.045,59.53) ; v1(40.028,64.194) 40.55,64.715 40.55,65.7 ; 54.095,68.982 54.29,68.788 54.316,68.788 54.75,68.354 v1(54.75,68.329)
  L4 w0.254: v1@34.27,64.733 34.367,64.635 v1(34.367,64.546) ; v1@34.411,64.591 35.521,65.7 40.55,65.7 50.773,65.7 50.812,65.7 54.095,68.982 55,69.888 v1(55,75.4)
VDD_NORA: C68.2 C69.2 C70.2 C75.2 C86.1 J4.2 NC9.1 Q18.2 R63.1 R78.1 R79.2 TP36.1 U13.A7 U13.A8 U13.B7 U16.8 U21.8 | length 99.8
  L1 w0.152: Q18.2@13.65,50.971 13.65,50.654 13.815,50.489 14.593,50.489 14.882,50.778 v1(14.882,50.868) ; v1(36.575,53.556) 36.575,53.575 37.276,54.276 37.276,54.662 ; R63.1@37.392,56.25 37.276,56.133 37.276,54.662 ; U16.8@39.1,57.025 39.1,56.832 39.1,55.607 39.211,55.495 39.211,54.982 38.891,54.662 37.276,54.662
  L1 w0.203: U16.8@39.1,56.832 39.157,56.775 C68.2@39.95,56.775 ; v1(57.851,53.282) 57.851,53.196 58.628,52.419 58.628,52.052 C75.2@58.688,51.992 ; C75.2@58.697,52.001 58.83,51.868 58.83,51.188 U21.8@58.838,51.179
  L1 w0.254: 5.539,39.925 7.134,39.925 TP36.1@7.15,39.909 ; R78.1@6.32,48.825 v1(7.343,48.825) 7.986,48.825 R79.2@8.011,48.8
  L1 w0.381: U13.B7@13,55.35 U13.A7@14.1,55.35 U13.A8@14.1,54.25 C70.2@16.34,54.25 16.81,54.25 17.21,53.85 v1(17.21,53.824)
  L1 w0.508: NC9.1@5.375,39.414 5.539,39.578 5.539,39.925 5.539,43.939 J4.2@5.65,44.05 ; J4.2@5.7,44.1 J4.2@6.35,44.1 6.85,44.6 C86.1@6.85,45.275 v1(6.2,45.275)
  L3 w0.152: v1(14.882,50.868) 14.882,51.412 15.595,52.125 16.35,52.125 16.783,52.558 16.783,53.351 17.21,53.778 v1(17.21,53.824)
  L3 w0.508: v1(17.21,53.824) 17.654,53.824 18.087,53.391 18.087,52.6 15.913,50.426 15.913,47.111 17.38,45.644 v1(17.38,45.604)
  L4 w0.203: 49.846,52.628 50.587,53.368 51.187,53.368 51.305,53.25 55.533,53.25 55.616,53.167 57.431,53.167 57.463,53.199 57.768,53.199 v1(57.851,53.282)
  L4 w0.254: v1(7.343,48.825) 7.343,46.107 7.846,45.604
  L4 w0.305: v1(17.21,53.824) 17.36,53.975 35.125,53.975 35.525,53.575 36.556,53.575 v1(36.575,53.556) ; v1@36.575,53.575 37.522,52.628 49.846,52.628
  L4 w0.508: v1(6.2,45.275) 7.517,45.275 7.846,45.604 v1(17.38,45.604)